# Altium PCB HCRT_STM32F103C8T6_PCB.PcbDoc
Units mm, origin at the board's own origin, x right, y up, seen from the top; angles counter-clockwise.
Board outline 46.48 x 27.86 mm, 2 copper layers (Top Layer, Bottom Layer); 43 components, 50 nets, 198 pads, 56 vias.
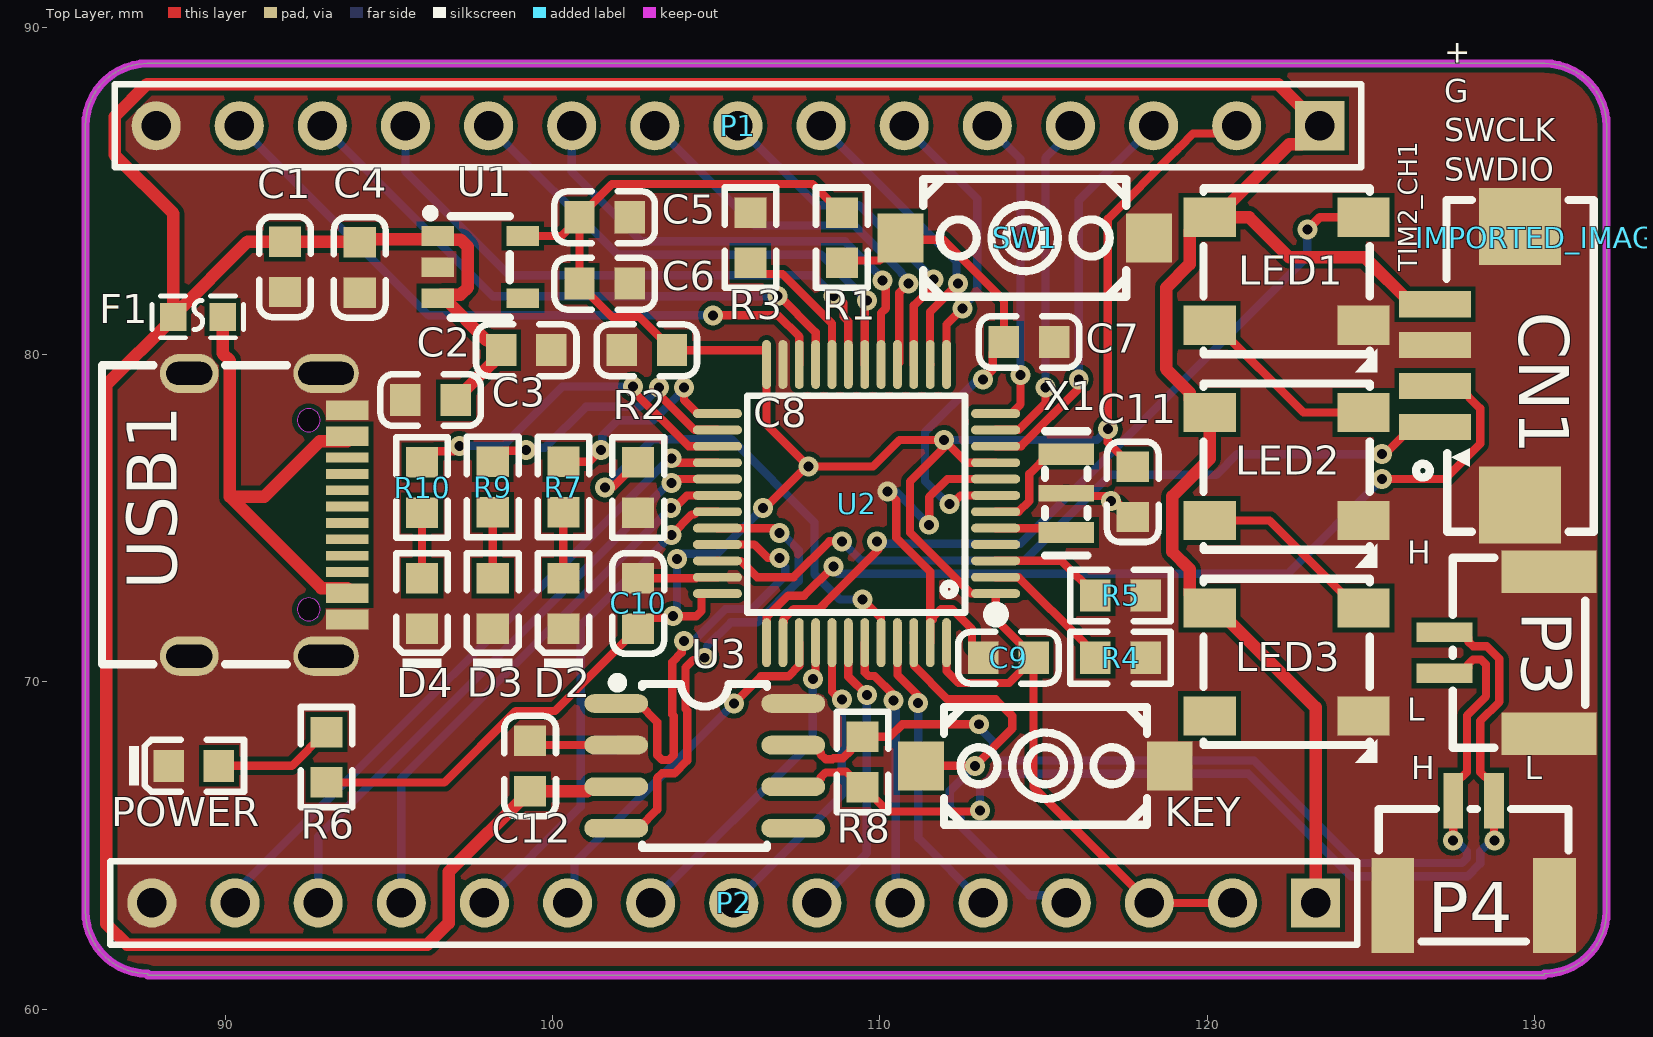
[diagram p0: Top Layer view]
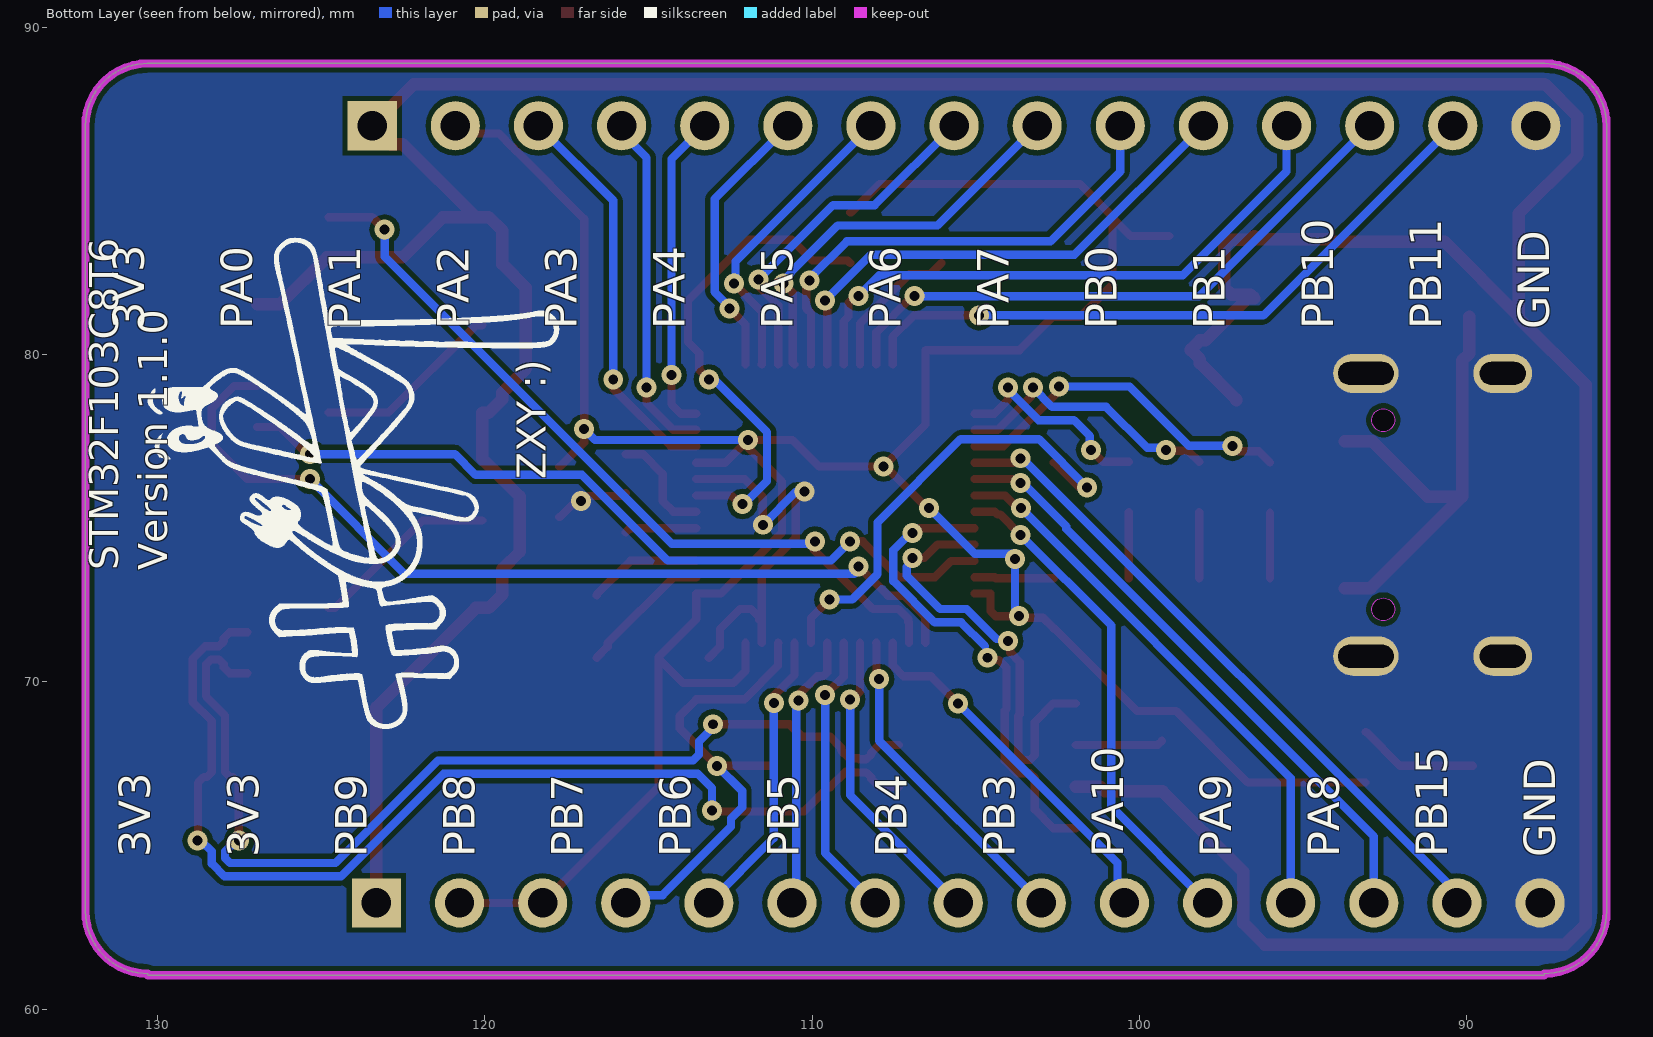
[diagram p1: Bottom Layer view, seen from below]
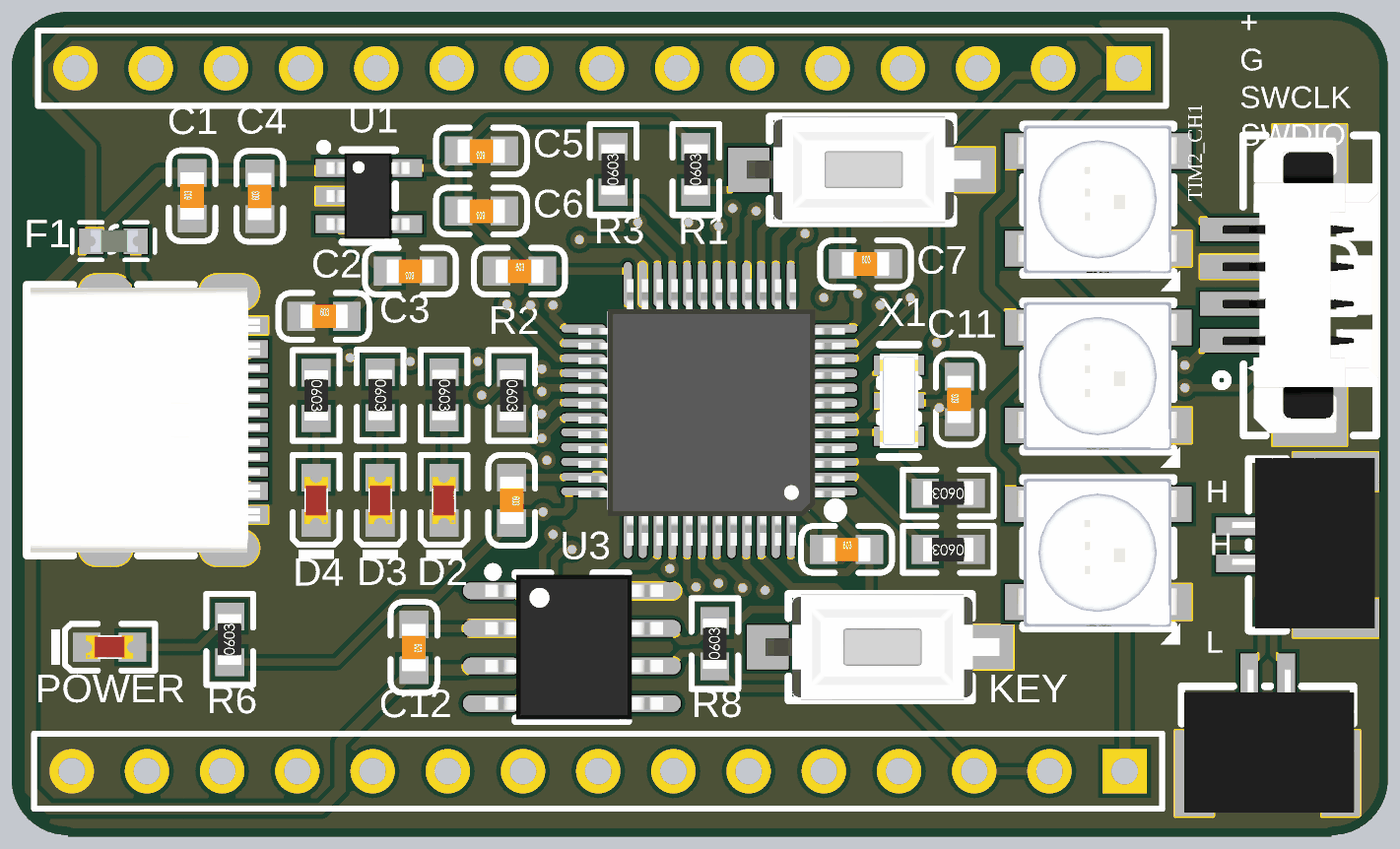
[diagram p2: 3D render of the assembled board from above, using the file's embedded part models]

## Layer stack, top to bottom
Top Solder: solder mask 0.0102, Solder Resist, Dk 3.5
Top Layer: signal copper 0.0356
Dielectric 1: dielectric 0.32, FR-4, Dk 4.8
Bottom Layer: signal copper 0.0356
Bottom Solder: solder mask 0.0102, Solder Resist, Dk 3.5

## Board outline
85.725,62.992 ccw(c87.63,62.992) 87.63,61.087 87.63,61.036 130.302,61.036 130.302,61.087 ccw(c130.302,62.992) 132.207,62.992 132.207,86.995 ccw(c130.302,86.995) 130.302,88.9 87.63,88.9 ccw(c87.63,86.995) 85.725,86.995

## Design rules (kind name [scope] priority, off if disabled: settings)
BoardOutlineClearance [All] p1: gap=0.152 ignorepadtopadclearanceinfootprint=FALSE
Clearance [All] p1: gap=0.152 ignorepadtopadclearanceinfootprint=TRUE
DiffPairsRouting DiffPair_DiffPairsRouting [All] p1: maxlimit=0.254 minlimit=0.152 mostfreqgap=0.152 toplayer_minwidth=0.152 toplayer_maxwidth=0.381 toplayer_prefwidth=0.254 bottomlayer_minwidth=0.152 bottomlayer_maxwidth=0.381 bottomlayer_prefwidth=0.254 maxuncoupledlength=12.7
MatchedLengths DiffPair_MatchedLengths [InDifferentialPair ('NewDifferentialPair1')] p1: tolerance=25.4 checknetsindiffpair=FALSE checkdiffpairvsdiffpair=TRUE checkxsignals=TRUE checkothers=TRUE
MatchedLengths DiffPair_MatchedLengths_1 [InDifferentialPair ('NewDifferentialPair1')] p2: tolerance=25.4 checknetsindiffpair=FALSE checkdiffpairvsdiffpair=TRUE checkxsignals=TRUE checkothers=TRUE
PlaneClearance [All] p1: clearance=0.203
PlaneConnect [All] p1: planeconnectstyle=Direct reliefexpansion=0.508 reliefentries=4 reliefconductorwidth=0.254 reliefairgap=0.254
PolygonConnect [All] p1: connectstyle=Direct reliefconductorwidth=0.254 reliefentries=4 polygonreliefangle="90 Angle" airgapwidth=0.254
RoutingVias [All] p1: holewidth=0.305 width=0.61 viastyle="Through Hole" minholewidth=0.305 minwidth=0.61 maxholewidth=0.711 maxwidth=1.27
SilkToSilkClearance [All] p1: silktosilkclearance=0.102
SilkToSolderMaskClearance [IsPad] p1: minsilkscreentomaskgap=0.051 clearancetoexposedcopper=TRUE
SolderMaskExpansion [IsVia] p1: expansion=0.102 istentingtop=TRUE
Width [All] p1: maxlimit=2.54 minlimit=0.152 preferedwidth=0.254
25 further rules are at their usual default settings.

## Classes and differential pairs
differential pair CAN_TX_RX: +CAN_RX -CAN_TX
differential pair CAN_H_L: +CAN_H -CAN_L

## Components (designator, comment, footprint, x,y, rotation, side; value= is the part's Value field where it differs from the comment)
C1 "10uF (106) 10% 10V" 0603_C 91.821,82.685 r90 top
C2 "10uF (106) 10% 10V" 0603_C 99.195,80.137 r180 top
C3 "10uF (106) 10% 10V" 0603_C 96.274,78.613 r0 top
C4 "10uF (106) 10% 10V" 0603_C 94.107,82.669 r90 top
C5 "10uF (106) 10% 10V" 0603_C 101.592,84.201 r180 top
C6 "10uF (106) 10% 10V" 0603_C 101.592,82.169 r180 top
C7 "100nF (104) 10% 50V" 0603_C 114.562,80.391 r0 top
C8 "100nF (104) 10% 50V" 0603_C 102.878,80.137 r0 top
C9 "100nF (104) 10% 50V" 0603_C 113.927,70.739 r0 top
C10 "100nF (104) 10% 50V" 0603_C 102.616,72.398 r270 top
C11 "100nF (104) 10% 50V" 0603_C 117.729,75.811 r90 top
C12 "100nF (104) 10% 50V" 0603_C 99.314,67.429 r270 top
CN1 "HC-1.25-4PWT" CONN-SMD_4P-P1.25-HC-1.25-4PWT 128.265,79.667 r90 top
D2 "蓝灯 0603" 0603_LED_S1 100.33,72.398 r90 top
D3 "蓝灯 0603" 0603_LED_S1 98.171,72.398 r90 top
D4 "蓝灯 0603" 0603_LED_S1 96.012,72.398 r90 top
F1 "FUSE0603" F0603 89.163,81.153 r180 top
IMPORTED_IMAGE "Comment" IMPORTED_IMAGE 130.302,83.566 r270 top
KEY "K2-1107ST-A4DW-06_C118141" KEY-SMD_L6.2-W3.6-LS8.0 115.062,67.437 r0 top (schematic designator SW2)
LED1 "WS2812C" LED-SMD_4P-L5.0-W5.0-LS5.4-TL-1 122.428,82.55 r0 top
LED2 "WS2812C" LED-SMD_4P-L5.0-W5.0-LS5.4-TL-1 122.428,76.581 r0 top
LED3 "WS2812C" LED-SMD_4P-L5.0-W5.0-LS5.4-TL-1 122.428,70.612 r0 top
P1 "Header 15" HDR1X15 123.444,86.995 r180 top
P2 "Header 15" HDR1X15 123.317,63.246 r180 top
P3 "1.25_2P" CONN-SMD_SM02B-GHS-TB-LF-SN 128.854,70.891 r90 top
P4 "1.25_2P" CONN-SMD_SM02B-GHS-TB-LF-SN 128.143,64.77 r0 top
POWER "红灯 0603" 0603_LED_S1 89.035,67.437 r0 top (schematic designator D1)
R1 "10KΩ (1002) ±1%" 0603_R 108.839,83.574 r90 top
R2 "100KΩ (1003) ±1%" 0603_R 102.616,75.938 r270 top
R3 "100KΩ (1003) ±1%" 0603_R 106.045,83.574 r90 top
R4 "10KΩ (1002) ±1%" 0603_R 117.356,70.739 r180 top
R5 "10KΩ (1002) ±1%" 0603_R 117.356,72.644 r180 top
R6 "1KΩ (1001) ±1%" 0603_R 93.091,67.699 r90 top
R7 "1KΩ (1001) ±1%" 0603_R 100.33,75.954 r270 top
R8 "120Ω (1200) ±1%" 0603_R 109.474,67.556 r90 top
R9 "1KΩ (1001) ±1%" 0603_R 98.171,75.954 r270 top
R10 "1KΩ (1001) ±1%" 0603_R 96.012,75.938 r270 top
SW1 "K2-1107ST-A4DW-06_C118141" KEY-SMD_L6.2-W3.6-LS8.0 114.427,83.566 r0 top (schematic designator SW?)
U1 "XC6210B332MR" SOT-23-5_L3.0-W1.7-P0.95-LS2.8-BR 97.79,82.677 r180 top
U2 "STM32F103CBT6" LQFP-48_L7.0-W7.0-P0.50-LS9.0-BL 109.288,75.45 r90 top
U3 "TJA1050T/CM,118" SOIC-8_L5.0-W4.0-P1.27-LS6.0-BL 104.648,67.437 r270 top
USB1 "KH-TYPE-C-16P" USB-C-SMD_KH-TYPE-C-16P 91.313,75.108 r270 top
X1 "CSTCE8M00G15C99-R0" OSC-SMD_3P-L3.2-W1.3-P1.2-L 115.697,75.763 r270 top value=8MHz

## Footprints (in the part's own frame and the unit in brackets; to place one, negate y for a bottom-side part, rotate by r counter-clockwise, add the part's x,y. Pads: shape width x height; smd on the part's side, far side on the other; paste and mask are expansions set on the pad)
0603_C [mm]
  rect 0.93x0.98 smd: 1(-0.77,0) 2(0.77,0)
  silkscreen extent -1.54,-0.79 1.54,0.79, body extent -0.8,-0.4 0.8,0.4, height 0.3
0603_LED_S1 [mm]
  rect 0.93x0.98 smd: A(0.77,0) K(-0.77,0)
  silkscreen extent -1.98,-0.79 1.54,0.79, body extent -0.8,-0.4 0.8,0.4, height 0.6
0603_R [mm]
  rect 0.93x0.98 smd: 1(-0.77,0) 2(0.77,0)
  silkscreen extent -1.54,-0.79 1.53,0.79, body extent -0.85,-0.4 0.85,0.4, height 0.56
CONN-SMD_4P-P1.25-HC-1.25-4PWT [mil]
  rect 31.5x86.6 smd mask+1.97: 1(-73.8,51.2) 2(-24.6,51.2) 3(24.6,51.2) 4(73.8,51.2)
  rect 92.5x98.4 smd mask+1.97: 5(167.5,-51.2) 6(-167.5,-51.2)
  silkscreen extent -200,-140 199,74, body extent -197,-142 197,65, height 137
CONN-SMD_SM02B-GHS-TB-LF-SN [mil]
  rect 23.6x66.9 smd mask+2: 1(-24.6,63) 2(24.6,63)
  rect 51.2x114.2 smd mask+2: 3(97.4,-63) 4(-97.4,-63)
  silkscreen extent -114,-106 114,53, body extent -111,-115 115,76, height 166
F0603 [mm]
  rect 0.806x0.864 smd mask+0.051: 1(-0.753,0) 2(0.753,0)
  silkscreen extent -1.4,-0.64 1.4,0.64, body extent -0.83,-0.37 0.77,0.38, height 0.75
HDR1X15 [mm] "Connector; Header; 15 Position"
  rect 1.5x1.5 hole 0.9: 1(0,0)
  round 1.5 hole 0.9: 2(2.54,0) 3(5.08,0) 4(7.62,0) 5(10.16,0) 6(12.7,0) 7(15.24,0) 8(17.78,0) 9(20.32,0) 10(22.86,0) 11(25.4,0) 12(27.94,0) 13(30.48,0) 14(33.02,0) 15(35.56,0)
  silkscreen extent -1.27,-1.27 36.83,1.27
IMPORTED_IMAGE [mm]
KEY-SMD_L6.2-W3.6-LS8.0 [mm]
  rect 1.4x1.5 smd mask+0.051: 1(-3.8,0) 2(3.8,0)
  silkscreen extent -3.1,-1.8 3.1,1.8, body extent -3.87,-1.8 4.03,1.8, height 2.68
LED-SMD_4P-L5.0-W5.0-LS5.4-TL-1 [mm]
  rect 1.6x1.2 smd mask+0.05: 1(-2.35,1.65) 2(-2.35,-1.65) 3(2.35,-1.65) 4(2.35,1.65)
  silkscreen extent -2.54,-3.09 2.77,2.54, body extent -2.76,-2.49 2.7,2.51, height 1.68
LQFP-48_L7.0-W7.0-P0.50-LS9.0-BL [mm]
  oval 0.27x1.5 smd mask+0.05: 1(-2.75,-4.25) 2(-2.25,-4.25) 3(-1.75,-4.25) 4(-1.25,-4.25) 5(-0.75,-4.25) 6(-0.25,-4.25) 7(0.25,-4.25) 8(0.75,-4.25) 9(1.25,-4.25) 10(1.75,-4.25) 11(2.25,-4.25) 12(2.75,-4.25) 25(2.75,4.25) 26(2.25,4.25) 27(1.75,4.25) 28(1.25,4.25) 29(0.75,4.25) 30(0.25,4.25) 31(-0.25,4.25) 32(-0.75,4.25) 33(-1.25,4.25) 34(-1.75,4.25) 35(-2.25,4.25) 36(-2.75,4.25)
  oval 1.5x0.27 smd mask+0.05: 13(4.25,-2.75) 14(4.25,-2.25) 15(4.25,-1.75) 16(4.25,-1.25) 17(4.25,-0.75) 18(4.25,-0.25) 19(4.25,0.25) 20(4.25,0.75) 21(4.25,1.25) 22(4.25,1.75) 23(4.25,2.25) 24(4.25,2.75) 37(-4.25,2.75) 38(-4.25,2.25) 39(-4.25,1.75) 40(-4.25,1.25) 41(-4.25,0.75) 42(-4.25,0.25) 43(-4.25,-0.25) 44(-4.25,-0.75) 45(-4.25,-1.25) 46(-4.25,-1.75) 47(-4.25,-2.25) 48(-4.25,-2.75)
  silkscreen extent -3.59,-4.46 3.3,3.34, body extent -4.59,-4.58 4.41,4.42, height 1.56
OSC-SMD_3P-L3.2-W1.3-P1.2-L [mm]
  rect 0.65x1.699 smd mask+0.051: 1(-1.199,0) 3(1.199,0)
  rect 0.5x1.699 smd mask+0.051: 2(0,0)
  silkscreen extent -1.9,-0.65 1.9,0.65, body extent -1.6,-0.65 1.6,0.65, height 0.7
SOIC-8_L5.0-W4.0-P1.27-LS6.0-BL [mil]
  oval 22.38x76.78 smd mask+2: 1(-75,-106.5) 2(-25,-106.5) 3(25,-106.5) 4(75,-106.5) 5(75,106.5) 6(25,106.5) 7(-25,106.5) 8(-75,106.5)
  silkscreen extent -106,-111 98,75, body extent -96,-115 96,121, height 69
SOT-23-5_L3.0-W1.7-P0.95-LS2.8-BR [mm]
  rect 1x0.6 smd mask+0.051: 1(1.3,-0.95) 2(1.3,0) 3(1.3,0.95) 4(-1.3,0.95) 5(-1.3,-0.95)
  silkscreen extent -0.9,-1.78 1.65,1.55, body extent -1.37,-1.45 1.43,1.45, height 1.45
USB-C-SMD_KH-TYPE-C-16P [mm]
  oval 1.2x2 hole 0.7 slot 1.7 at 90 deg mask+0.051: 1(-4.32,1.765) 2(4.32,1.765)
  oval 1.2x1.8 hole 0.7 slot 1.4 at 90 deg mask+0.051: 3(-4.32,-2.415) 4(4.32,-2.415)
  rect 0.3x1.3 smd mask+0.05: A1(-3.35,2.415) A4(-2.55,2.415) A5(-1.25,2.415) A6(-0.25,2.415) A7(0.25,2.415) A8(1.25,2.415) A9(2.55,2.415) A12(3.35,2.415) B1(3.05,2.415) B4(2.25,2.415) B5(1.75,2.415) B6(0.75,2.415) B7(-0.75,2.415) B8(-1.75,2.415) B9(-2.25,2.415) B12(-3.05,2.415)
  Keep-Out Layer board cut-out: -2.54,1.235 -2.575,1.387 -2.672,1.509 -2.812,1.576 -2.968,1.576 -3.108,1.509 -3.205,1.387 -3.24,1.235 -3.24,1.235 -3.205,1.083 -3.108,0.961 -2.968,0.894 -2.812,0.894 -2.672,0.961 -2.575,1.083 -2.54,1.235
  Keep-Out Layer board cut-out: 3.24,1.235 3.205,1.387 3.108,1.509 2.968,1.576 2.812,1.576 2.672,1.509 2.575,1.387 2.54,1.235 2.54,1.235 2.575,1.083 2.672,0.961 2.812,0.894 2.968,0.894 3.108,0.961 3.205,1.083 3.24,1.235
  silkscreen extent -4.57,-5.08 4.57,0.57, body extent -4.47,-4.95 4.47,2.8, height 3.23

## Part data
C1 C2 C3 C4 C5 C6: library part "0603 10uF (106) 10% 10V", "贴片电容", Package=0603, SuppliersPartNumber=C19702, ComponentLink1Description=供应商链接, ComponentLink1URL=http://www.szlcsc.com/product/details_20411.html, Supplier=LC
C7 C8 C9 C10 C11 C12: library part "0603 100nF (104) 10% 50V", "贴片电容", Package=0603, SuppliersPartNumber=C14663, ComponentLink1Description=供应商链接, ComponentLink1URL=http://www.szlcsc.com/product/details_15331.html, Supplier=LC
CN1: Current Rating (Max)=1A, JLCPCB Part Class="Extended Part", LCSC Part Name="4P 卧贴 间距P=1.25mm", Manufacturer=HCTL(华灿天禄), Operating Temperature Range=-25℃~+85℃, Add into BOM=yes, Convert to PCB=yes, Datasheet=https://atta.szlcsc.com/upload/public/pdf/source/20210728/C2845379_48B7DC28A4B35DB030A7253F7C3FD974.pdf, Device=HC-1.25-4PWT, Gender=公型插针, Manufacturer Part=HC-1.25-4PWT, Mounting Style=卧贴, Name=HC-1.25-4PWT, Number of PINs Per Row=4, Number of Rows=1, Pins Structure=1x4P, Pitch=1.25mm, Reference Series=-, Row Spacing=-, Supplier=LCSC, Supplier Footprint=SMD,P=1.25mm, Supplier Part=C2845381, Symbol=HC-1.25-4PWT
D2 D3 D4: library part "0603 蓝灯", "发光二极管", Package=0603, SuppliersPartNumber=C72041, ComponentLink1Description=供应商链接, ComponentLink1URL=http://www.szlcsc.com/product/details_73150.html, Supplier=LC
F1: Current Rating (Max)=50A, Hold Current=1.5A, JLCPCB Part Class="Extended Part", LCSC Part Name="0603 1.5A 6V", Manufacturer=BHFUSE(佰宏), Manufacturer Part=BSMD0603L-150, Operating Temperature=-40℃~+85℃, Operating Voltage (Max)=6V, Power Dissipation=1W, Resistance - Initial (Ri) (Min)=5mΩ, Resistance - Post Trip (R1) (Max)=55mΩ, Trip Current=3A, Add into BOM=yes, Convert to PCB=yes, Datasheet=https://atta.szlcsc.com/upload/public/pdf/source/20210323/C914094_E2A7202F3A3191041F4CBB065BB19E4A.pdf, Device=BSMD0603L-150, Maximum Time to Trip=500ms, Name=BSMD0603L-150, Supplier=LCSC, Supplier Footprint=0603, Supplier Part=C914094, Symbol=BSMD0603L-150
KEY SW1: Contact Current=50mA, Insulation Resistance=100MΩ, JLCPCB Part Class="Extended Part", LCSC Part Name="轻触开关 3.6*6.1*2.5", Manufacturer=韩国韩荣, Manufacturer Part=K2-1107ST-A4DW-06, Operating Force=250gf@±30gf, Operating Temperature=-25℃~+85℃, Voltage Rating (DC)=12V, Actuator Style=矩形按钮, Add into BOM=yes, Circuit=单刀单掷, Convert to PCB=yes, Datasheet=https://atta.szlcsc.com/upload/public/pdf/source/20210810/381712CEF248770C072B585C3485C888.pdf, Device=K2-1107ST-A4DW-06_C118141, Mechanical Life=100000, Mounting Style=立贴, Name=K2-1107ST-A4DW-06, Supplier=LCSC, Supplier Footprint=SMD, Supplier Part=C118141, Switch Height=2.5mm, Switch Length=6.1mm, Switch Width=3.6mm, Symbol=K2-1107ST-A4SW-06, With Lamp=-
LED1 LED2 LED3: Emitted Color=RGB三色, JLCPCB Part Class="Extended Part", LCSC Part Name="RGB三色 （注意防潮，请查阅规格书中对应具体内容）", Manufacturer=worldsemi, Add into BOM=yes, Convert to PCB=yes, Datasheet=https://atta.szlcsc.com/upload/public/pdf/source/20171019/C114587_15083980074721044737.pdf, Device=WS2812C, Manufacturer Part=WS2812C, Name=WS2812C, Supplier=LCSC, Supplier Footprint=5050(mm), Supplier Part=C114587, Symbol=WS2812C
P1 P2: "Header, 15-Pin", LatestRevisionDate=17-Jul-2002, LatestRevisionNote="Re-released for DXP Platform.", Publisher="Altium Limited"
P3 P4: JLCPCB Part Class="Extended Part", LCSC Part Name="GH系列 插座 1*2P 间距1.25mm 贴片", Manufacturer=JST, Manufacturer Part=SM02B-GHS-TB(LF)(SN), Add into BOM=yes, Contact Material=磷青铜, Convert to PCB=yes, Datasheet=https://atta.szlcsc.com/upload/public/pdf/source/20180327/C189893_080A21CBA32DEDB99FCCE389533BAAB8.pdf, Device=SM02B-GHS-TB(LF)(SN), Mounting Style=-, Name=SM02B-GHS-TB(LF)(SN), Number of PINs Per Row=2, Number of Rows=1, Pins Structure=1x2P, Pitch=1.25mm, Reference Series=GH, Row Spacing=-, Supplier=LCSC, Supplier Footprint=SMD,P=1.25mm, Supplier Part=C189893, Symbol=SM02B-GHS-TB(LF)(SN)
POWER: library part "0603 红灯", "发光二极管", Package=0603, SuppliersPartNumber=C2286, ComponentLink1Description=供应商链接, ComponentLink1URL=http://www.szlcsc.com/product/details_2659.html, Supplier=LC
R1 R4 R5: library part "0603 10KΩ (1002) 1%", "贴片电阻", Package=0603, SuppliersPartNumber=C25804, ComponentLink1Description=供应商链接, ComponentLink1URL=http://www.szlcsc.com/product/details_26547.html, Supplier=LC
R2 R3: library part "0603 100KΩ (1003) 1%", "贴片电阻", Package=0603, SuppliersPartNumber=C25803, ComponentLink1Description=供应商链接, ComponentLink1URL=http://www.szlcsc.com/product/details_26546.html, Supplier=LC
R6 R7 R9 R10: library part "0603 1KΩ (1001) 1%", "贴片电阻", Package=0603, SuppliersPartNumber=C21190, ComponentLink1Description=供应商链接, ComponentLink1URL=http://www.szlcsc.com/product/details_21904.html, Supplier=LC
R8: library part "0603 120Ω (1200) 1%", "贴片电阻", Package=0603, SuppliersPartNumber=C22787, ComponentLink1Description=供应商链接, ComponentLink1URL=http://www.szlcsc.com/product/details_23514.html, Supplier=LC
U1: Dropout Voltage=75mV@(100mA), JLCPCB Part Class="Extended Part", LCSC Part Name="Vin=6V Vout=3.3V 900mA 60dB@(1kHz)", Manufacturer=TOREX(特瑞仕), Maximum Input Voltage=6V, Output Current=900mA, Output Voltage=3.3V, Power Supply Rejection Ratio (PRSS)=60dB@(1kHz), Add into BOM=yes, Convert to PCB=yes, Datasheet=https://atta.szlcsc.com/upload/public/pdf/source/20190903/C424705_1DFB2113A9A78D399905DBF688657204.pdf, Device=XC6210B332MR_C424705, Manufacturer Part=XC6210B332MR, Name=XC6210B332MR, Number of Outputs=1, Output Polarity=正, Output Type=固定, Supplier=LCSC, Supplier Footprint=SOT-25, Supplier Part=C424705, Symbol=XC6210B332MR_C424705
U2: JLCPCB Part Class="Extended Part", Manufacturer=ST(意法半导体), Voltage - Supply (Vcc/Vdd)="2V ~ 3.6V", A/D=16x12bit, Add into BOM=yes, CAN=1, Convert to PCB=yes, Datasheet=https://atta.szlcsc.com/upload/public/pdf/source/20140724/1457707170379.pdf, Device=STM32F103CBT6, I2C（SMBUS/PMBUS）=2, LCSC Part Name=STM32F103CBT6, Manufacturer Part=STM32F103CBT6, Name=STM32F103CBT6, Number of I/O=37, PWM=13, RAM Size=20KB, Speed=72MHz, Supplier=LCSC, Supplier Footprint=LQFP-48_7x7x05P, Supplier Part=C8304, Symbol=STM32F103CBT6, UART/USART="3 USART", USB Device=1
U3: JLCPCB Part Class="Basic Part", Manufacturer=NXP(恩智浦), Supply Voltage="4.75V ~ 5.25V", Add into BOM=yes, Convert to PCB=yes, Datasheet=https://atta.szlcsc.com/upload/public/pdf/source/20140411/1457707042917.pdf, Device=TJA1050T/CM,118, LCSC Part Name=TJA1050T/CM,118, Manufacturer Part=TJA1050T/CM,118, Name=TJA1050T/CM,118, Protocol=CAN总线, Supplier=LCSC, Supplier Footprint=SOIC-8_150mil, Supplier Part=C6952, Symbol=TJA1050T/CM,118, Type=收发器
USB1: Current Rating - Power (Max)=3A, JLCPCB Part Class="Extended Part", LCSC Part Name="Type-C 母座 卧贴", Manufacturer=kinghelm(金航标), Operating Temperature Range=-40℃~+85℃, Add into BOM=yes, Connector Type=Type-C, Convert to PCB=yes, Datasheet=https://atta.szlcsc.com/upload/public/pdf/source/20200911/C709357_AA8DCEB38BB20E3035A7ED7AE7667837.pdf, Device=KH-TYPE-C-16P, Gender=母座, Manufacturer Part=KH-TYPE-C-16P, Mounting Style=卧贴, Name=KH-TYPE-C-16P, Number of Contacts=16, Number of Ports=1, Standard=-, Supplier=LCSC, Supplier Footprint=SMD, Supplier Part=C709357, Symbol=KH-TYPE-C-16P
X1: Built-in Load Capacitance=33pF, Frequency Stability=±0.13%, Frequency Tolerance=±0.1%, JLCPCB Part Class="Extended Part", LCSC Part Name="8M ±0.1% 33pF", Manufacturer=muRata(村田), Operating Temperature=-40℃~+125℃, Add into BOM=yes, Convert to PCB=yes, Datasheet=https://atta.szlcsc.com/upload/public/pdf/source/20180327/C110614_9F5031E08ADB10DE4472527BF78A8CAF.pdf, Device=CSTCE8M00G15C99-R0, Manufacturer Part=CSTCE8M00G15C99-R0, Name=8MHz, Resonant Impedance=40Ω, Supplier=LCSC, Supplier Footprint=SMD3213-3P, Supplier Part=C110614, Symbol=CSTCE8M00G15C99-R0

## Via types
v1: diameter 0.61, hole 0.305, Top Layer to Bottom Layer, tented both sides, 56 vias

## Nets (pads, with @x,y where several pads share a name; then routed paths per layer and width w, separated by ;. In a path a pad name is that pad's centre, name@x,y a point inside that pad or via, vN(x,y) a via of type N, cw(c..) or ccw(c..) an arc to the next point about the centre after c; other vN are vias at no path point)
3V3: C5.2 C6.2 C8.2 C9.2 C10.2 C11.2 P1.2 P2.2 P2.3 R1.2 R6.1 U1.5 U2.1 U2.9 U2.24 U2.36 U2.48 | length 94.2
  Top Layer w0.254: R6.1 96.694,66.929 98.874,69.11 100.072,69.11 102.591,71.628 C10.2 102.954,71.966 103.631,71.966 v1(103.674,72.009) 104.394,72.009 104.55,72.165 104.55,72.692 104.558,72.7 U2.36 ; U1.5 100.273,83.627 C5.2@100.822,84.176 ; v1(106.426,75.311) 106.489,75.311 107.759,76.581 v1(107.823,76.581) ; R1.2 108.814,84.344 107.941,85.217 101.813,85.217 100.822,84.226 C5.2 C5.2@100.822,84.176 ; U2.48 112.038,70.334 112.402,69.97 113.953,69.97 C9.2@114.697,70.714 ; U2.9 112.655,76.7 v1(111.963,77.393) ; C11.2 117.704,76.581 116.967,77.318 v1(116.967,77.724) 116.967,84.151 119.006,86.19 ccw(c118.364,86.995) 119.169,86.353 119.572,86.757 120.666,86.757 P1.2 ; P2.2 P2.3 114.697,66.786 C9.2@114.697,70.714 ; C5.2@100.822,84.176 C6.2 100.822,82.144 101.813,81.153 102.657,81.153 103.648,80.162 C8.2 106.531,80.137 106.538,80.13 U2.24 106.538,77.866 v1(107.823,76.581) ; v1(107.823,76.581) 109.792,76.581 110.603,77.393 v1(111.963,77.393) ; v1(111.963,77.393) 111.963,77.165 110.922,76.124 110.922,74.561 112.783,72.7 U2.1 113.538,71.923 114.697,70.764 C9.2 C9.2@114.697,70.714
  Bottom Layer w0.254: v1(103.674,72.009) 103.803,72.138 v1(103.803,73.752) ; v1@103.759,73.768 103.905,73.914 105.029,73.914 v1(106.426,75.311) ; v1(111.963,77.393) 116.636,77.393 v1(116.967,77.724)
5V: C1.2 C2.2 C3.2 C4.2 C12.2 CN1.4 F1.2 LED1.1 LED2.1 LED3.1 P1.1 P2.1 U1.1 U1.3 U3.3 | length 137.1
  Top Layer w0.381: C3.2 97.044,78.638 98.15,79.744 98.15,79.862 C2.2 98.425,80.162 98.15,80.437 97.98,80.437 96.69,81.727 U1.3 96.599,81.837 97.186,81.837 97.409,82.06 97.409,83.294 97.186,83.517 96.599,83.517 U1.1 96.396,83.533 94.201,83.533 C4.2 94.099,83.447 91.829,83.447 C1.2 90.683,83.455 F1.2@88.409,81.182 ; U3.3 101.201,66.802 101.058,66.659 C12.2 99.289,66.659 96.824,64.194 96.824,62.63 96.17,61.976 86.995,61.976 86.36,62.611 86.36,79.075 88.409,81.124 F1.2 F1.2@88.409,81.182 ; P2.1 123.317,69.223 120.278,72.262 LED3.1 119.878,72.262 119.468,72.672 119.468,73.445 118.935,73.978 118.935,75.673 120.078,76.816 LED2.1 119.878,78.231 119.468,78.641 119.468,78.841 118.745,79.564 118.745,82.042 119.469,82.766 119.469,83.791 119.878,84.2 LED1.1 LED1.1@120.278,84.2 ; CN1.4 126.265,81.542 124.831,82.976 122.51,82.976 121.286,84.2 LED1.1@120.278,84.2 ; F1.2@88.409,81.182 88.409,84.311 86.614,86.106 86.614,87.271 87.608,88.265 122.174,88.265 P1.1 122.884,86.435 122.513,86.435 LED1.1@120.278,84.2
BOOT0: R2.1 U2.44 | length 14.3
  Top Layer w0.254: v1(101.6,75.946) 101.829,75.946 102.591,76.708 R2.1 ; v1(109.474,72.517) 110.035,71.956 110.035,71.203 U2.44
  Bottom Layer w0.254: v1(101.6,75.946) 103.073,77.419 105.461,77.419 108.001,74.879 108.001,73.291 108.775,72.517 v1(109.474,72.517)
BOOT1: R3.1 U2.20 | length 4.5
  Top Layer w0.254: R3.1 106.383,82.466 107.023,82.466 108.538,80.951 U2.20
CAN_H: P3.1 P4.1 R8.2 U3.7 | length 31.6
  Top Layer w0.254: U3.7 107.959,68.072 108.194,67.837 108.194,67.789 108.343,67.64 108.553,67.64 108.583,67.671 108.874,67.671 109.111,67.908 109.111,67.988 109.449,68.326 R8.2 110.306,68.326 110.687,68.707 v1(113.03,68.707) ; P3.1 127.804,70.267 127.977,70.439 127.977,70.539 128.125,70.688 128.377,70.688 128.526,70.539 128.526,69.559 127.94,68.973 127.94,67.242 127.791,67.093 127.691,67.093 127.518,66.92 P4.1 127.518,65.161 v1(127.508,65.151)
  Bottom Layer w0.254: v1(113.03,68.707) 113.03,68.611 113.457,68.184 113.457,67.778 113.636,67.599 121.433,67.599 124.568,64.465 127.791,64.465 127.94,64.614 127.94,64.824 127.791,64.973 127.782,64.973 127.604,65.151 v1(127.508,65.151)
CAN_L: P3.2 P4.2 R8.1 U3.6 | length 33.1
  Top Layer w0.254: U3.6 107.959,66.802 108.194,67.037 108.194,67.085 108.343,67.234 108.721,67.234 108.752,67.264 108.971,67.264 109.449,66.786 R8.1 109.499,66.786 110.245,66.04 113.03,66.04 v1(113.062,66.072) ; P3.2 127.804,71.516 127.977,71.344 127.977,71.243 128.125,71.095 128.545,71.095 128.932,70.708 128.932,69.391 128.346,68.805 128.346,67.242 128.495,67.093 128.595,67.093 128.768,66.92 P4.2 128.768,65.161 v1(128.778,65.151)
  Bottom Layer w0.254: v1(113.062,66.072) 113.062,66.761 113.494,67.193 121.265,67.193 124.399,64.059 127.959,64.059 128.346,64.446 128.346,64.824 128.495,64.973 128.504,64.973 128.692,65.161 v1@128.768,65.161
CAN_RX: U2.32 U3.4 | length 14.5
  Top Layer w0.254: U3.4 102.634,65.532 103.197,66.096 103.197,67.06 103.346,67.209 103.725,67.209 104.112,67.596 104.112,69.127 104.064,69.175 104.064,70.439 104.296,70.671 104.58,70.671 v1(104.648,70.739) ; U2.32 106.783,74.7 v1(106.934,74.549)
  Bottom Layer w0.254: 104.716,71.091 105.447,71.822 106.258,71.822 107.518,73.082 107.518,74.029 106.998,74.549 v1(106.934,74.549)
CAN_TX: U2.33 U3.1 | length 13
  Top Layer w0.254: U3.1 102.634,69.342 103.197,68.778 103.197,67.764 103.346,67.615 103.557,67.615 103.705,67.764 103.705,68.958 103.657,69.006 103.657,70.607 103.945,70.895 103.945,71.179 v1(104.013,71.247) ; U2.33 106.163,74.2 106.576,73.787 v1(106.934,73.787)
  Bottom Layer w0.254: 104.365,71.315 105.278,72.228 106.09,72.228 107.112,73.25 107.112,73.513 106.934,73.691 v1(106.934,73.787)
GND: C1.1 C2.1 C3.1 C4.1 C5.1 C6.1 C7.2 C8.1 C9.1 C10.1 C11.1 C12.1 CN1.3 CN1.5 CN1.6 D2.K D3.K D4.K KEY.2 LED1.3 LED2.3 LED3.3 P1.15 P2.15 P3.3 P3.4 P4.3 P4.4 POWER.K R2.2 R3.2 R4.1 R5.1 SW1.2 U1.2 U2.8 U2.23 U2.35 U2.47 U3.2 U3.8 USB1.1 USB1.2 USB1.3 USB1.4 USB1.A1 USB1.A12 USB1.B1 USB1.B12 X1.2 | length 20.2
  Top Layer w0.254: C12.1 99.441,68.072 U3.2 ; C10.1 104.387,73.168 104.419,73.2 U2.35 ; v1(110.236,75.819) 110.501,75.554 110.501,74.407 111.538,73.37 U2.47@111.538,71.819 ; v1(111.506,74.803) 111.506,75.645 112.061,76.2 U2.8 ; U2.47 U2.47@111.538,71.819 ; C9.1 112.819,71.077 112.819,71.62 112.21,72.229 111.866,72.229 111.624,71.987 111.624,71.905 U2.47@111.538,71.819 ; X1.2 115.776,75.684 116.899,75.684 116.967,75.616 117.126,75.457 117.288,75.457 117.704,75.041 C11.1
  Bottom Layer w0.254: v1(110.236,75.819) 110.49,75.819 v1(111.506,74.803)
  other v1: 117.058,75.525
KEY: KEY.1 P2.4 U2.46 | length 14.5
  Top Layer w0.254: U2.46 111.041,71.197 111.041,70.496 112.068,69.469 113.538,69.469 114.046,68.961 114.046,68.58 v1(112.903,67.437) KEY.1
  Bottom Layer w0.254: v1(112.903,67.437) 112.141,66.675 112.141,66.167 112.478,65.83 112.478,65.576 114.57,63.484 115.459,63.484 P2.4
LED_IN: LED1.4 U2.38 | length 24.3
  Top Layer w0.254: U2.38 107.038,71.819 107.06,71.841 107.06,71.923 107.366,72.229 108.149,72.229 108.499,72.58 109.96,74.041 109.96,74.251 v1(109.917,74.295) ; v1(123.063,83.82) 123.443,84.2 LED1.4
  Bottom Layer w0.254: v1(109.917,74.295) 109.993,74.219 114.288,74.219 123.063,82.994 v1(123.063,83.82)
NetD1_A: POWER.A R6.2 | length 3.7
  Top Layer w0.254: POWER.A 92.034,67.437 93.066,68.469 R6.2
NetD2_A: D2.A R7.2 | length 2
  Top Layer w0.254: D2.A R7.2
NetD3_A: D3.A R9.2 | length 2
  Top Layer w0.254: D3.A R9.2
NetD4_A: D4.A R10.2 | length 2
  Top Layer w0.254: D4.A R10.2
NetLED1_2: LED1.2 LED2.4 | length 5.8
  Top Layer w0.254: LED1.2 120.278,80.9 122.947,78.231 LED2.4
NetLED2_2: LED2.2 LED3.4 | length 5.8
  Top Layer w0.254: LED2.2 121.909,74.931 124.578,72.262 LED3.4
NetR4_2: R4.2 U2.2 | length 4.1
  Top Layer w0.254: U2.2 113.541,73.197 114.242,73.197 116.248,71.191 116.248,71.077 R4.2
NetR5_2: R5.2 U2.3 | length 3.5
  Top Layer w0.254: U2.3 115.555,73.7 116.586,72.669 R5.2
NetU2_5: U2.5 X1.3 | length 2.2
  Top Layer w0.254: U2.5 113.541,74.697 115.564,74.697 X1.3
NetU2_6: U2.6 X1.1 | length 3.4
  Top Layer w0.254: U2.6 113.541,75.203 114.242,75.203 114.568,75.529 114.568,76.357 115.172,76.962 X1.1
PA0: P1.3 U2.10 | length 12.2
  Top Layer w0.254: U2.10 113.541,77.203 114.317,77.203 116.078,78.964 v1(116.078,79.248)
  Bottom Layer w0.254: v1(116.078,79.248) 116.078,84.709 P1.3
PA1: P1.4 U2.11 | length 10.7
  Top Layer w0.254: U2.11 113.541,77.703 114.242,77.703 115.062,78.523 v1(115.062,78.994)
  Bottom Layer w0.254: v1(115.062,78.994) 115.062,86.021 115.824,86.783 P1.4
PA2: P1.5 U2.12 | length 9.8
  Top Layer w0.254: U2.12 114.019,78.2 114.3,78.481 v1(114.3,79.375)
  Bottom Layer w0.254: P1.5 114.3,85.979 v1(114.3,79.375)
PA3: P1.6 U2.13 | length 8.6
  Top Layer w0.254: U2.13 112.038,80.923 v1(112.522,81.407)
  Bottom Layer w0.254: P1.6 112.979,84.76 112.979,81.92 112.522,81.462 v1(112.522,81.407)
PA4: P1.7 U2.14 | length 9.4
  Top Layer w0.254: U2.14 111.535,79.703 111.535,81.309 v1(112.395,82.169)
  Bottom Layer w0.254: P1.7 112.344,82.855 112.344,82.22 v1(112.395,82.169)
PA5: P1.8 U2.15 | length 10.8
  Top Layer w0.254: U2.15 111.038,81.51 111.633,82.105 v1(111.633,82.296)
  Bottom Layer w0.254: P1.8 108.09,84.569 109.36,84.569 v1(111.633,82.296)
PA6: P1.9 U2.16 | length 12.4
  Top Layer w0.254: U2.16 110.592,79.753 110.592,81.89 v1(110.871,82.169)
  Bottom Layer w0.254: P1.9 106.172,83.947 109.22,83.947 110.661,82.506 110.661,82.475 110.871,82.265 v1(110.871,82.169)
PA7: P1.10 U2.17 | length 15
  Top Layer w0.254: U2.17 110.038,81.272 110.185,81.419 110.185,82.124 110.077,82.232 v1(110.077,82.264)
  Bottom Layer w0.254: P1.10 100.584,85.598 102.718,83.464 108.941,83.464 110.077,82.328 v1(110.077,82.264)
PA8: P2.13 U2.29 | length 18.8
  Top Layer w0.254: v1(103.632,76.073) 103.759,76.2 U2.29
  Bottom Layer w0.254: P2.13 92.837,65.278 102.235,74.676 102.235,74.75 103.558,76.073 v1(103.632,76.073)
PA9: P2.12 U2.30 | length 17.1
  Top Layer w0.254: v1(103.622,75.311) 103.718,75.311 104.104,75.697 105.035,75.697 U2.30
  Bottom Layer w0.254: P2.12 95.377,67.066 v1(103.622,75.311)
PA10: P2.11 U2.31 | length 15.4
  Top Layer w0.254: v1@103.632,74.422 v1(103.632,74.495) 104.251,75.114 104.333,75.114 104.419,75.2 U2.31
  Bottom Layer w0.254: P2.11 100.86,66.189 100.86,71.722 v1(103.632,74.495)
PB0: P1.11 U2.18 | length 15.8
  Top Layer w0.254: U2.18 109.538,81.598 v1(109.601,81.661)
  Bottom Layer w0.254: P1.11 101.981,83.058 108.204,83.058 v1(109.601,81.661)
PB1: P1.12 U2.19 | length 18.4
  Top Layer w0.254: v1(108.585,81.788) 108.687,81.788 108.89,81.585 108.89,81.165 109.038,81.017 U2.19
  Bottom Layer w0.254: P1.12 95.504,85.598 98.679,82.423 107.95,82.423 v1(108.585,81.788)
PB3: P2.10 U2.39 | length 11.4
  Top Layer w0.254: v1(105.537,69.342) 106.366,70.171 107.21,70.171 107.535,70.496 107.535,71.197 U2.39
  Bottom Layer w0.254: P2.10 100.668,63.457 100.668,64.473 v1(105.537,69.342)
PB4: P2.9 U2.40 | length 10
  Top Layer w0.254: v1(107.954,70.089) 107.954,70.185 108.035,70.266 108.035,71.197 U2.40
  Bottom Layer w0.254: P2.9 107.954,68.203 v1(107.954,70.089)
PB5: P2.8 U2.41 | length 9.3
  Top Layer w0.254: U2.41 108.538,69.703 v1@108.679,69.563
  Bottom Layer w0.254: P2.8 108.839,66.548 v1(108.839,69.469)
PB6: P2.7 U2.42 | length 8.8
  Top Layer w0.254: U2.42 109.038,70.159 v1(109.601,69.596)
  Bottom Layer w0.254: P2.7 109.601,64.77 v1(109.601,69.596)
PB7: P2.6 U2.43 | length 8.5
  Top Layer w0.254: U2.43 109.541,71.197 109.541,70.291 109.652,70.18 109.843,70.18 110.415,69.609 v1(110.415,69.44)
  Bottom Layer w0.254: v1(110.415,69.44) 110.483,69.372 110.483,63.38 P2.6
PB8: P2.5 U2.45 | length 9
  Top Layer w0.254: U2.45 110.538,70.214 111.176,69.577 111.176,69.405 111.172,69.402 v1(111.172,69.358)
  Bottom Layer w0.254: v1(111.172,69.358) 111.176,69.354 111.176,65.227 P2.5
PB10: P1.13 U2.21 | length 18.7
  Top Layer w0.254: v1(106.875,81.788) 106.934,81.788 108.038,80.684 U2.21
  Bottom Layer w0.254: P1.13 98.171,81.788 v1(106.875,81.788)
PB11: P1.14 U2.22 | length 20.6
  Top Layer w0.254: v1(104.902,81.204) 106.883,81.204 107.538,80.549 U2.22
  Bottom Layer w0.254: P1.14 96.215,81.204 v1(104.902,81.204)
PB12: R7.1 U2.25 | length 6.5
  Top Layer w0.254: R7.1 101.108,76.724 v1(101.473,77.089) ; v1(104.013,78.994) 104.013,78.614 104.427,78.2 U2.25
  Bottom Layer w0.254: v1(101.473,77.089) 101.513,77.129 101.513,77.51 102.004,78.001 103.085,78.001 104.013,78.93 v1(104.013,78.994)
PB13: R9.1 U2.26 | length 8.5
  Top Layer w0.254: R9.1 98.509,77.062 99.16,77.062 v1(99.187,77.089) ; v1(103.251,78.994) 103.319,78.926 103.319,78.718 104.334,77.703 105.035,77.703 U2.26
  Bottom Layer w0.254: v1(99.187,77.089) 99.255,77.157 99.763,77.157 101.014,78.408 102.665,78.408 v1(103.251,78.994)
PB14: R10.1 U2.27 | length 10.8
  Top Layer w0.254: R10.1 96.35,77.046 96.985,77.046 v1(97.155,77.216) ; v1(102.457,79.026) 102.489,78.994 102.489,78.867 104.153,77.203 105.035,77.203 U2.27
  Bottom Layer w0.254: v1(97.155,77.216) 98.488,77.216 100.298,79.026 v1(102.457,79.026)
PB15: P2.14 U2.28 | length 20.6
  Top Layer w0.254: v1(103.632,76.835) 103.767,76.7 U2.28
  Bottom Layer w0.254: P2.14 90.297,63.564 103.568,76.835 v1(103.632,76.835)
RESET: C7.1 R1.1 SW1.1 U2.7 | length 15.2
  Top Layer w0.254: R1.1 108.915,82.88 109.991,82.88 110.627,83.516 111.937,83.516 113.792,81.661 C7.1 113.454,80.053 113.454,79.545 v1(113.157,79.248) ; v1(112.126,75.438) 112.205,75.438 112.467,75.7 U2.7
  Bottom Layer w0.254: v1(112.126,75.438) 112.077,75.438 111.378,76.136 111.378,77.635 112.992,79.248 v1(113.157,79.248)
SWCLK: CN1.2 U2.37 | length 27.8
  Top Layer w0.254: U2.37 106.541,71.203 106.541,71.979 107.198,72.636 107.688,72.636 v1(108.585,73.533) ; v1(125.349,76.2) 127.267,76.2 128.344,77.277 128.344,78.363 127.664,79.042 CN1.2
  Bottom Layer w0.254: v1(108.585,73.533) 108.585,73.43 108.711,73.304 122.453,73.304 v1(125.349,76.2)
SWDIO: CN1.1 U2.34 | length 24.5
  Top Layer w0.254: U2.34 105.041,73.697 105.754,73.697 106.248,73.203 107.366,73.203 108.458,74.295 v1(108.839,74.295) ; v1(125.349,76.962) 125.434,76.962 126.265,77.793 CN1.1
  Bottom Layer w0.254: v1(108.839,74.295) 109.423,73.711 114.418,73.711 117.034,76.327 120.284,76.327 120.919,76.962 v1(125.349,76.962)
VBUS: F1.1 USB1.A4 USB1.A9 USB1.B4 USB1.B9 | length 14.6
  Top Layer w0.381: F1.1 89.916,80.043 90.141,79.818 90.141,75.66 ; USB1.B4 93.721,72.865 92.936,72.865 90.141,75.66 ; USB1.B9 93.721,77.351 92.881,77.351 91.19,75.66 90.141,75.66
pads on no net: LED3.2 U1.4 U2.4 U3.5 USB1.A5 USB1.A6 USB1.A7 USB1.A8 USB1.B5 USB1.B6 USB1.B7 USB1.B8

## Polygon pours and split planes (outlines as drawn)
GND on Top Layer "GND_L01_P000" (solid, remove dead copper, pour order 0): 84.201,91.059 84.074,90.932 84.074,59.182 135.001,59.182 135.763,59.944 133.858,61.849 133.858,90.551
GND on Bottom Layer "GND_L02_P001" (solid, remove dead copper, pour order 1): 84.328,91.313 84.328,60.198 84.455,60.071 134.62,60.071 134.62,90.297 134.112,90.805

## Keep-outs
Keep-Out Layer:
  lines w0.254: 87.63,61.036 130.302,61.036 ; 87.63,61.087 cw(c87.63,62.992) 85.725,62.992 85.725,86.995 cw(c87.63,86.995) 87.63,88.9 130.302,88.9 cw(c130.302,86.995) 132.207,86.995 132.207,62.992 cw(c130.302,62.992) 130.302,61.087

## Silkscreen, mask and mechanical layers (free items; w line width, h text height)
Top Overlay:
  text "+ / G / SWCLK / SWDIO" at 127.254,85.09 h1.2
  text "TIM2_CH1" at 126.619,82.55 h1 r90
  text "H /  /  /  / L" at 126.111,68.58 h1.2
  text "H         L" at 126.238,66.802 h1.2
Bottom Overlay:
  text "5V /  / 3V3 /  / PA0 /  / PA1 /  / PA2 /  / PA3 /  / PA4 /  / PA5 /  / PA6 /  / PA7 /  / PB0 /  / PB1 /  / PB10 /  / PB11 /  / GND" at 87.159,80.774 h1.65 r270
  text "ZXY :)" at 117.856,76.2 h1.5 r270
  text "STM32F103C8T6 / Version 1.1.0" at 129.413,73.406 h1.5 r270
  text "5V /  / 3V3 /  / 3V3 /  / PB9 /  / PB8 /  / PB7 /  / PB6 /  / PB5 /  / PB4 /  / PB3 /  / PA10 /  / PA9 /  / PA8 /  / PB15 /  / GND" at 86.973,64.643 h1.65 r270
Mechanical 15:
  lines w0.003: 76.406,78.363 76.406,78.363 ; 124.508,75.18 124.508,75.18 ; 125.143,76.831 125.143,76.831